# Altium PCB mantarray_beta2_sensor.PcbDoc (part 5 of 5)
Units mm, origin at the board's own origin, x right, y up, seen from the top; angles counter-clockwise.
Board outline 194.65 x 250 mm, 6 copper layers (Top Layer, GND1, Signal1, Int3 (Sign), AVDD, Bottom Layer), stack 1.551 mm thick; 528 components, 0 nets, 3971 pads, 590 vias.
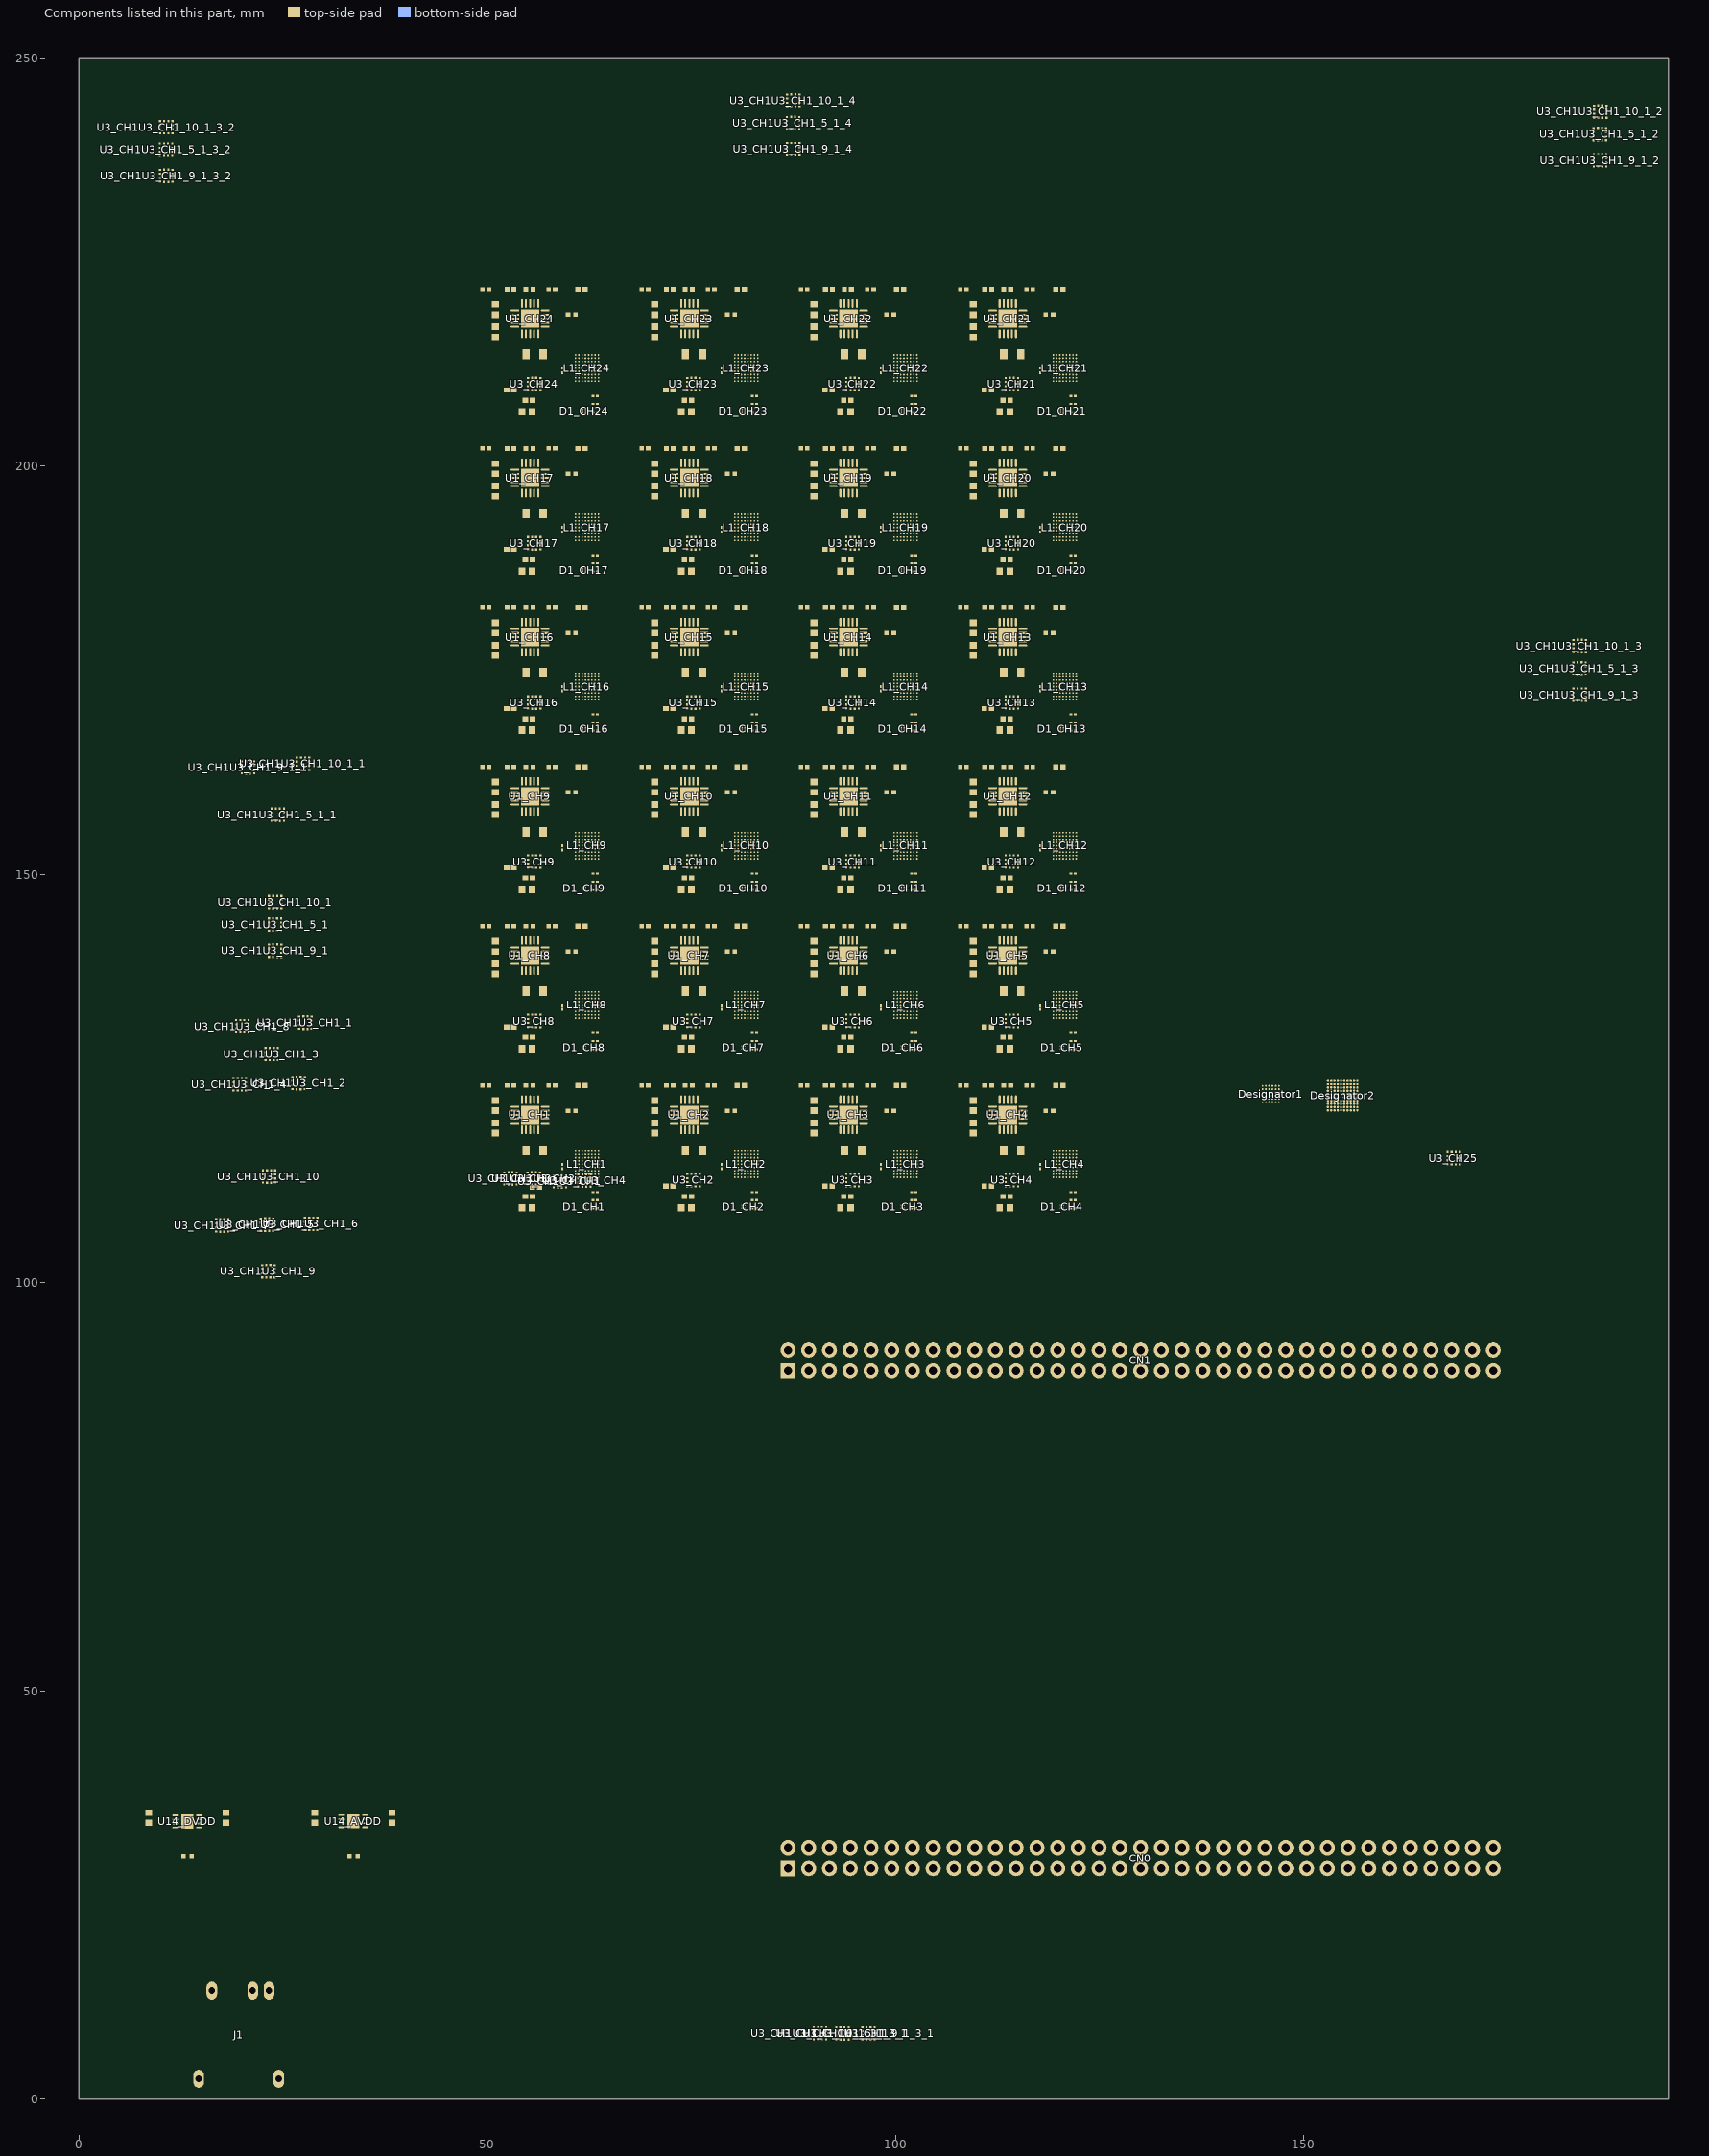
[diagram p8: the components of this part, seen from the top]

## Via types
v1: diameter 0.508, hole 0.203, Top Layer to Bottom Layer, 292 vias
v2: diameter 0.457, hole 0.152, Top Layer to Bottom Layer, 196 vias
v3: diameter 0.5, hole 0.2, Top Layer to Bottom Layer, 100 vias
v4: diameter 1.8, hole 1.2, Top Layer to Bottom Layer, 2 vias

## Nets (pads, with @x,y where several pads share a name; then routed paths per layer and width w, separated by ;. In a path a pad name is that pad's centre, name@x,y a point inside that pad or via, vN(x,y) a via of type N, cw(c..) or ccw(c..) an arc to the next point about the centre after c; other vN are vias at no path point) (continued)
copper on no net: (continued)
  Signal1 w0.127: v1(10.499,34.725) v1@10.499,34.775 ; v1(30.825,34.75) v1@30.825,34.8 ; v2(51.312,124.15) 51.312,124.175 52.392,125.254 61.127,125.254 61.604,124.777 61.604,124.15 ; v2(51.312,143.65) 51.312,143.675 52.392,144.754 61.127,144.754 61.604,144.277 61.604,143.65 ; v2(51.312,163.15) 51.312,163.175 52.392,164.254 61.127,164.254 61.604,163.777 61.604,163.15 ; v2(51.312,182.65) 51.312,182.675 52.392,183.754 61.127,183.754 61.604,183.277 61.604,182.65 ; v2(51.312,202.15) 51.312,202.175 52.392,203.254 61.127,203.254 61.604,202.777 61.604,202.15 ; v2(51.312,221.65) 51.312,221.675 52.392,222.754 61.127,222.754 61.604,222.277 61.604,221.65 ; v2(56.567,124.15) 57.418,125 61.022,125 61.35,124.672 61.35,124.15 ; v2(56.567,143.65) 57.418,144.5 61.022,144.5 61.35,144.172 61.35,143.65 ; v2(56.567,163.15) 57.418,164 61.022,164 61.35,163.672 61.35,163.15 ; v2(56.567,182.65) 57.418,183.5 61.022,183.5 61.35,183.172 61.35,182.65 ; v2(56.567,202.15) 57.418,203 61.022,203 61.35,202.672 61.35,202.15 ; v2(56.567,221.65) 57.418,222.5 61.022,222.5 61.35,222.172 61.35,221.65 ; v2(60.1,124.15) 61.35,124.15 ; v2(60.1,143.65) 61.35,143.65 ; v2(60.1,163.15) 61.35,163.15 ; v2(60.1,182.65) 61.35,182.65 ; v2(60.1,202.15) 61.35,202.15 ; v2(60.1,221.65) 61.35,221.65 ; 60.226,118.385 60.226,121.826 61.35,122.95 61.35,124.15 ; 60.226,137.885 60.226,141.326 61.35,142.45 61.35,143.65 ; 60.226,157.385 60.226,160.826 61.35,161.95 61.35,163.15 ; 60.226,176.885 60.226,180.326 61.35,181.45 61.35,182.65 ; 60.226,196.385 60.226,199.826 61.35,200.95 61.35,202.15 ; 60.226,215.885 60.226,219.326 61.35,220.45 61.35,221.65 ; 60.48,118.28 60.48,121.72 61.604,122.845 61.604,124.15 ; 60.48,137.78 60.48,141.22 61.604,142.345 61.604,143.65 ; 60.48,157.28 60.48,160.72 61.604,161.845 61.604,163.15 ; 60.48,176.78 60.48,180.22 61.604,181.345 61.604,182.65 ; 60.48,196.28 60.48,199.72 61.604,200.845 61.604,202.15 ; 60.48,215.78 60.48,219.22 61.604,220.345 61.604,221.65 ; v2(62.95,124.15) 61.604,124.15 ; v2(62.95,143.65) 61.604,143.65 ; v2(62.95,163.15) 61.604,163.15 ; v2(62.95,182.65) 61.604,182.65 ; v2(62.95,202.15) 61.604,202.15 ; v2(62.95,221.65) 61.604,221.65 ; v2(70.812,124.15) 70.812,124.175 71.892,125.254 80.627,125.254 81.104,124.777 81.104,124.15 ; v2(70.812,143.65) 70.812,143.675 71.892,144.754 80.627,144.754 81.104,144.277 81.104,143.65 ; v2(70.812,163.15) 70.812,163.175 71.892,164.254 80.627,164.254 81.104,163.777 81.104,163.15 ; v2(70.812,182.65) 70.812,182.675 71.892,183.754 80.627,183.754 81.104,183.277 81.104,182.65 ; v2(70.812,202.15) 70.812,202.175 71.892,203.254 80.627,203.254 81.104,202.777 81.104,202.15 ; v2(70.812,221.65) 70.812,221.675 71.892,222.754 80.627,222.754 81.104,222.277 81.104,221.65 ; v2(76.068,124.15) 76.918,125 80.522,125 80.85,124.672 80.85,124.15 ; v2(76.068,143.65) 76.918,144.5 80.522,144.5 80.85,144.172 80.85,143.65 ; v2(76.068,163.15) 76.918,164 80.522,164 80.85,163.672 80.85,163.15 ; v2(76.068,182.65) 76.918,183.5 80.522,183.5 80.85,183.172 80.85,182.65 ; v2(76.068,202.15) 76.918,203 80.522,203 80.85,202.672 80.85,202.15 ; v2(76.068,221.65) 76.918,222.5 80.522,222.5 80.85,222.172 80.85,221.65 ; v2(79.6,124.15) 80.85,124.15 ; v2(79.6,143.65) 80.85,143.65 ; v2(79.6,163.15) 80.85,163.15 ; v2(79.6,182.65) 80.85,182.65 ; v2(79.6,202.15) 80.85,202.15 ; v2(79.6,221.65) 80.85,221.65 ; 79.726,118.385 79.726,121.826 80.85,122.95 80.85,124.15 ; 79.726,137.885 79.726,141.326 80.85,142.45 80.85,143.65 ; 79.726,157.385 79.726,160.826 80.85,161.95 80.85,163.15 ; 79.726,176.885 79.726,180.326 80.85,181.45 80.85,182.65 ; 79.726,196.385 79.726,199.826 80.85,200.95 80.85,202.15 ; 79.726,215.885 79.726,219.326 80.85,220.45 80.85,221.65 ; 79.98,118.28 79.98,121.72 81.104,122.845 81.104,124.15 ; 79.98,137.78 79.98,141.22 81.104,142.345 81.104,143.65 ; 79.98,157.28 79.98,160.72 81.104,161.845 81.104,163.15 ; 79.98,176.78 79.98,180.22 81.104,181.345 81.104,182.65 ; 79.98,196.28 79.98,199.72 81.104,200.845 81.104,202.15 ; 79.98,215.78 79.98,219.22 81.104,220.345 81.104,221.65 ; v2(82.45,124.15) 81.104,124.15 ; v2(82.45,143.65) 81.104,143.65 ; v2(82.45,163.15) 81.104,163.15 ; v2(82.45,182.65) 81.104,182.65 ; v2(82.45,202.15) 81.104,202.15 ; v2(82.45,221.65) 81.104,221.65 ; v2(90.313,124.15) 90.313,124.175 91.392,125.254 100.127,125.254 100.604,124.777 100.604,124.15 ; v2(90.313,143.65) 90.313,143.675 91.392,144.754 100.127,144.754 100.604,144.277 100.604,143.65 ; v2(90.313,163.15) 90.313,163.175 91.392,164.254 100.127,164.254 100.604,163.777 100.604,163.15 ; v2(90.313,182.65) 90.313,182.675 91.392,183.754 100.127,183.754 100.604,183.277 100.604,182.65 ; v2(90.313,202.15) 90.313,202.175 91.392,203.254 100.127,203.254 100.604,202.777 100.604,202.15 ; v2(90.313,221.65) 90.313,221.675 91.392,222.754 100.127,222.754 100.604,222.277 100.604,221.65 ; v2(95.568,124.15) 96.418,125 100.022,125 100.35,124.672 100.35,124.15 ; v2(95.568,143.65) 96.418,144.5 100.022,144.5 100.35,144.172 100.35,143.65 ; v2(95.568,163.15) 96.418,164 100.022,164 100.35,163.672 100.35,163.15 ; v2(95.568,182.65) 96.418,183.5 100.022,183.5 100.35,183.172 100.35,182.65 ; v2(95.568,202.15) 96.418,203 100.022,203 100.35,202.672 100.35,202.15 ; v2(95.568,221.65) 96.418,222.5 100.022,222.5 100.35,222.172 100.35,221.65 ; v2(99.1,124.15) 100.35,124.15 ; v2(99.1,143.65) 100.35,143.65 ; v2(99.1,163.15) 100.35,163.15 ; v2(99.1,182.65) 100.35,182.65 ; v2(99.1,202.15) 100.35,202.15 ; v2(99.1,221.65) 100.35,221.65 ; 99.226,118.385 99.226,121.826 100.35,122.95 100.35,124.15 ; 99.226,137.885 99.226,141.326 100.35,142.45 100.35,143.65 ; 99.226,157.385 99.226,160.826 100.35,161.95 100.35,163.15 ; 99.226,176.885 99.226,180.326 100.35,181.45 100.35,182.65 ; 99.226,196.385 99.226,199.826 100.35,200.95 100.35,202.15 ; 99.226,215.885 99.226,219.326 100.35,220.45 100.35,221.65 ; 99.48,118.28 99.48,121.72 100.604,122.845 100.604,124.15 ; 99.48,137.78 99.48,141.22 100.604,142.345 100.604,143.65 ; 99.48,157.28 99.48,160.72 100.604,161.845 100.604,163.15 ; 99.48,176.78 99.48,180.22 100.604,181.345 100.604,182.65 ; 99.48,196.28 99.48,199.72 100.604,200.845 100.604,202.15 ; 99.48,215.78 99.48,219.22 100.604,220.345 100.604,221.65 ; v2(101.95,124.15) 100.604,124.15 ; v2(101.95,143.65) 100.604,143.65 ; v2(101.95,163.15) 100.604,163.15 ; v2(101.95,182.65) 100.604,182.65 ; v2(101.95,202.15) 100.604,202.15 ; v2(101.95,221.65) 100.604,221.65 ; v2(109.813,124.15) 109.813,124.175 110.892,125.254 119.627,125.254 120.104,124.777 120.104,124.15 ; v2(109.813,143.65) 109.813,143.675 110.892,144.754 119.627,144.754 120.104,144.277 120.104,143.65 ; v2(109.813,163.15) 109.813,163.175 110.892,164.254 119.627,164.254 120.104,163.777 120.104,163.15 ; v2(109.813,182.65) 109.813,182.675 110.892,183.754 119.627,183.754 120.104,183.277 120.104,182.65 ; v2(109.813,202.15) 109.813,202.175 110.892,203.254 119.627,203.254 120.104,202.777 120.104,202.15 ; v2(109.813,221.65) 109.813,221.675 110.892,222.754 119.627,222.754 120.104,222.277 120.104,221.65 ; v2(115.068,124.15) 115.918,125 119.522,125 119.85,124.672 119.85,124.15 ; v2(115.068,143.65) 115.918,144.5 119.522,144.5 119.85,144.172 119.85,143.65 ; v2(115.068,163.15) 115.918,164 119.522,164 119.85,163.672 119.85,163.15 ; v2(115.068,182.65) 115.918,183.5 119.522,183.5 119.85,183.172 119.85,182.65 ; v2(115.068,202.15) 115.918,203 119.522,203 119.85,202.672 119.85,202.15 ; v2(115.068,221.65) 115.918,222.5 119.522,222.5 119.85,222.172 119.85,221.65 ; v2(118.6,124.15) 119.85,124.15 ; v2(118.6,143.65) 119.85,143.65 ; v2(118.6,163.15) 119.85,163.15 ; v2(118.6,182.65) 119.85,182.65 ; v2(118.6,202.15) 119.85,202.15 ; v2(118.6,221.65) 119.85,221.65 ; 118.726,118.385 118.726,121.826 119.85,122.95 119.85,124.15 ; 118.726,137.885 118.726,141.326 119.85,142.45 119.85,143.65 ; 118.726,157.385 118.726,160.826 119.85,161.95 119.85,163.15 ; 118.726,176.885 118.726,180.326 119.85,181.45 119.85,182.65 ; 118.726,196.385 118.726,199.826 119.85,200.95 119.85,202.15 ; 118.726,215.885 118.726,219.326 119.85,220.45 119.85,221.65 ; 118.98,118.28 118.98,121.72 120.104,122.845 120.104,124.15 ; 118.98,137.78 118.98,141.22 120.104,142.345 120.104,143.65 ; 118.98,157.28 118.98,160.72 120.104,161.845 120.104,163.15 ; 118.98,176.78 118.98,180.22 120.104,181.345 120.104,182.65 ; 118.98,196.28 118.98,199.72 120.104,200.845 120.104,202.15 ; 118.98,215.78 118.98,219.22 120.104,220.345 120.104,221.65 ; v2(121.45,124.15) 120.104,124.15 ; v2(121.45,143.65) 120.104,143.65 ; v2(121.45,163.15) 120.104,163.15 ; v2(121.45,182.65) 120.104,182.65 ; v2(121.45,202.15) 120.104,202.15 ; v2(121.45,221.65) 120.104,221.65
  Signal1 w0.203: v2(14.649,29.775) 14.899,29.775 16.034,30.91 v2(16.034,34.75) ; v2(34.975,29.8) 35.225,29.8 36.36,30.935 v2(36.36,34.775) ; v2(54.256,117.405) 54.25,117.399 54.25,116.6 55.85,115 v2(56.9,115) ; v2(54.256,136.905) 54.25,136.899 54.25,136.1 55.85,134.5 v2(56.9,134.5) ; v2(54.256,156.405) 54.25,156.399 54.25,155.6 55.85,154 v2(56.9,154) ; v2(54.256,175.905) 54.25,175.899 54.25,175.1 55.85,173.5 v2(56.9,173.5) ; v2(54.256,195.405) 54.25,195.399 54.25,194.6 55.85,193 v2(56.9,193) ; v2(54.256,214.905) 54.25,214.899 54.25,214.1 55.85,212.5 v2(56.9,212.5) ; v2(57.6,117.3) 58.55,118.25 v2(58.55,121.05) ; v2(57.6,136.8) 58.55,137.75 v2(58.55,140.55) ; v2(57.6,156.3) 58.55,157.25 v2(58.55,160.05) ; v2(57.6,175.8) 58.55,176.75 v2(58.55,179.55) ; v2(57.6,195.3) 58.55,196.25 v2(58.55,199.05) ; v2(57.6,214.8) 58.55,215.75 v2(58.55,218.55) ; v2(73.756,117.405) 73.75,117.399 73.75,116.6 75.35,115 v2(76.4,115) ; v2(73.756,136.905) 73.75,136.899 73.75,136.1 75.35,134.5 v2(76.4,134.5) ; v2(73.756,156.405) 73.75,156.399 73.75,155.6 75.35,154 v2(76.4,154) ; v2(73.756,175.905) 73.75,175.899 73.75,175.1 75.35,173.5 v2(76.4,173.5) ; v2(73.756,195.405) 73.75,195.399 73.75,194.6 75.35,193 v2(76.4,193) ; v2(73.756,214.905) 73.75,214.899 73.75,214.1 75.35,212.5 v2(76.4,212.5) ; v2(77.1,117.3) 78.05,118.25 v2(78.05,121.05) ; v2(77.1,136.8) 78.05,137.75 v2(78.05,140.55) ; v2(77.1,156.3) 78.05,157.25 v2(78.05,160.05) ; v2(77.1,175.8) 78.05,176.75 v2(78.05,179.55) ; v2(77.1,195.3) 78.05,196.25 v2(78.05,199.05) ; v2(77.1,214.8) 78.05,215.75 v2(78.05,218.55) ; v2(93.256,117.405) 93.25,117.399 93.25,116.6 94.85,115 v2(95.9,115) ; v2(93.256,136.905) 93.25,136.899 93.25,136.1 94.85,134.5 v2(95.9,134.5) ; v2(93.256,156.405) 93.25,156.399 93.25,155.6 94.85,154 v2(95.9,154) ; v2(93.256,175.905) 93.25,175.899 93.25,175.1 94.85,173.5 v2(95.9,173.5) ; v2(93.256,195.405) 93.25,195.399 93.25,194.6 94.85,193 v2(95.9,193) ; v2(93.256,214.905) 93.25,214.899 93.25,214.1 94.85,212.5 v2(95.9,212.5) ; v2(96.6,117.3) 97.55,118.25 v2(97.55,121.05) ; v2(96.6,136.8) 97.55,137.75 v2(97.55,140.55) ; v2(96.6,156.3) 97.55,157.25 v2(97.55,160.05) ; v2(96.6,175.8) 97.55,176.75 v2(97.55,179.55) ; v2(96.6,195.3) 97.55,196.25 v2(97.55,199.05) ; v2(96.6,214.8) 97.55,215.75 v2(97.55,218.55) ; v2(112.756,117.405) 112.75,117.399 112.75,116.6 114.35,115 v2(115.4,115) ; v2(112.756,136.905) 112.75,136.899 112.75,136.1 114.35,134.5 v2(115.4,134.5) ; v2(112.756,156.405) 112.75,156.399 112.75,155.6 114.35,154 v2(115.4,154) ; v2(112.756,175.905) 112.75,175.899 112.75,175.1 114.35,173.5 v2(115.4,173.5) ; v2(112.756,195.405) 112.75,195.399 112.75,194.6 114.35,193 v2(115.4,193) ; v2(112.756,214.905) 112.75,214.899 112.75,214.1 114.35,212.5 v2(115.4,212.5) ; v2(116.1,117.3) 117.05,118.25 v2(117.05,121.05) ; v2(116.1,136.8) 117.05,137.75 v2(117.05,140.55) ; v2(116.1,156.3) 117.05,157.25 v2(117.05,160.05) ; v2(116.1,175.8) 117.05,176.75 v2(117.05,179.55) ; v2(116.1,195.3) 117.05,196.25 v2(117.05,199.05) ; v2(116.1,214.8) 117.05,215.75 v2(117.05,218.55)
  other v1: 17.799,29.275 20.299,29.275 38.125,29.3 40.625,29.3 17.799,32.325 20.299,32.325 38.125,32.35 40.625,32.35 7.099,36.725 11.099,36.725 15.099,36.725 19.099,36.725 27.425,36.75 31.425,36.75 35.425,36.75 39.425,36.75 7.099,40.275 11.099,40.275 15.099,40.275 19.099,40.275 27.425,40.3 31.425,40.3 35.425,40.3 39.425,40.3
  other v3: 13.299,33.45 33.625,33.475 13.299,34.55 33.625,34.575 54.7,120 55.8,120 74.2,120 75.3,120 93.7,120 94.8,120 113.2,120 114.3,120 54.7,121.1 55.8,121.1 74.2,121.1 75.3,121.1 93.7,121.1 94.8,121.1 113.2,121.1 114.3,121.1 54.7,139.5 55.8,139.5 74.2,139.5 75.3,139.5 93.7,139.5 94.8,139.5 113.2,139.5 114.3,139.5 54.7,140.6 55.8,140.6 74.2,140.6 75.3,140.6 93.7,140.6 94.8,140.6 113.2,140.6 114.3,140.6 54.7,159 55.8,159 74.2,159 75.3,159 93.7,159 94.8,159 113.2,159 114.3,159 54.7,160.1 55.8,160.1 74.2,160.1 75.3,160.1 93.7,160.1 94.8,160.1 113.2,160.1 114.3,160.1 54.7,178.5 55.8,178.5 74.2,178.5 75.3,178.5 93.7,178.5 94.8,178.5 113.2,178.5 114.3,178.5 54.7,179.6 55.8,179.6 74.2,179.6 75.3,179.6 93.7,179.6 94.8,179.6 113.2,179.6 114.3,179.6 54.7,198 55.8,198 74.2,198 75.3,198 93.7,198 94.8,198 113.2,198 114.3,198 54.7,199.1 55.8,199.1 74.2,199.1 75.3,199.1 93.7,199.1 94.8,199.1 113.2,199.1 114.3,199.1 54.7,217.5 55.8,217.5 74.2,217.5 75.3,217.5 93.7,217.5 94.8,217.5 113.2,217.5 114.3,217.5 54.7,218.6 55.8,218.6 74.2,218.6 75.3,218.6 93.7,218.6 94.8,218.6 113.2,218.6 114.3,218.6
  other v4: 18.475,2.3 18.475,8.7

## Polygon pours and split planes (outlines as drawn)
no net on Top Layer "GND_L01_P000" (solid, pour order 0): 34.35,32.4 34.35,35.8 36.075,35.8 37.275,34.6 40.825,34.6 41.575,35.35 41.575,41.6 40.825,42.35 26.575,42.35 25.675,41.45 25.675,35.3 26.375,34.6 29.525,34.6 30.725,35.8 32.9,35.8 32.9,32.4
no net on Top Layer "AVDD_L01_P001" (solid, pour order 1): 34.679,34.079 35,34.4 40.875,34.4 41.575,33.7 41.575,26.5 41.075,26 35.175,26 34.679,26.496
no net on Top Layer "+5V_L01_P002" (solid, pour order 2): 32.471,34.054 32.15,34.375 26.275,34.375 25.575,33.675 25.575,25.4 32.471,25.4
no net on Top Layer "GND_L01_P004" (solid, pour order 4): 14.024,32.375 14.024,35.775 15.749,35.775 16.949,34.575 20.499,34.575 21.249,35.325 21.249,41.575 20.499,42.325 6.249,42.325 5.349,41.425 5.349,35.275 6.049,34.575 9.199,34.575 10.399,35.775 12.574,35.775 12.574,32.375
no net on Top Layer "AVDD_DVDD_L01_P005" (solid, pour order 5): 14.353,34.054 14.674,34.375 20.549,34.375 21.249,33.675 21.249,26.475 20.749,25.975 14.849,25.975 14.353,26.471
no net on Top Layer "+5V_L01_P007" (solid, pour order 7): 12.145,34.029 11.824,34.35 5.949,34.35 5.249,33.65 5.249,25.375 12.145,25.375
no net on GND1 (split plane): 194.14,249.49 194.14,0.51 0.51,0.51 0.51,249.49
no net on AVDD (split plane): 194.14,249.49 194.14,0.51 0.51,0.51 0.51,249.49

## Other copper
Signal1:
GND1 (plane layer: these items are gaps in the copper):
  lines w0.254: 12.45,236.05 12.45,239.75 ; 25.8,141.15 25.8,144.85 ; 89.238,239.313 89.238,243.013 ; 92.5,9.823 96.2,9.823 ; 185.55,172.5 185.55,176.2 ; 188.05,237.95 188.05,241.65

## Silkscreen, mask and mechanical layers (free items; w line width, h text height)
Assembly Notes:
  circle w0.254: c10.504,239.122 r7.75
  circle w0.254: c93.128,7.877 r7.75
  circle w0.254: c87.291,242.384 r7.75
  circle w0.254: c183.604,175.572 r7.75
  circle w0.254: c186.104,241.022 r7.75
  circle w0.254: c24.441,159.759 r7.75
  circle w0.254: c23.854,144.222 r7.75
  circle w0.254: c23.65,128 r7.75
  circle w0.254: c55.75,156.55 r7.75
  circle w0.254: c55.75,195.55 r7.75
  circle w0.254: c94.75,156.55 r7.75
  circle w0.254: c94.75,195.55 r7.75
  circle w0.254: c23.15,106.95 r7.75
  circle w0.254: c55.75,137.05 r7.75
  circle w0.254: c55.75,176.05 r7.75
  circle w0.254: c94.75,117.55 r7.75
  circle w0.254: c94.75,137.05 r7.75
  circle w0.254: c94.75,176.05 r7.75
  circle w0.254: c114.25,156.55 r7.75
  circle w0.254: c75.25,156.55 r7.75
  circle w0.254: c114.25,195.55 r7.75
  circle w0.254: c75.25,195.55 r7.75
  circle w0.254: c114.25,117.55 r7.75
  circle w0.254: c75.25,117.55 r7.75
  circle w0.254: c114.25,137.05 r7.75
  circle w0.254: c75.25,137.05 r7.75
  circle w0.254: c114.25,176.05 r7.75
  circle w0.254: c75.25,176.05 r7.75
  circle w0.254: c55.75,215.05 r7.75
  circle w0.254: c94.75,215.05 r7.75
  circle w0.254: c75.25,215.05 r7.75
  circle w0.254: c114.25,215.05 r7.75

## Dimensions
0,250 to 194.65,250 on Mechanical 15
194.65,0 to 194.65,250 on Mechanical 15

## Text inside footprints (layer, text, board x,y; h text height)
CN0: Top Overlay "2" at 84.765,30.26 h1.5; Top Overlay "1" at 85.04,27.735 h1.5; Mechanical 14 "69" at 172.495,27.785 h1.5; Mechanical 14 "70" at 172.52,30.335 h1.5; Mechanical 14 "2" at 86.515,30.36 h1.5; Mechanical 14 "1" at 86.615,27.76 h1.5
CN1: Top Overlay "2" at 84.765,91.22 h1.5; Top Overlay "1" at 85.04,88.695 h1.5; Mechanical 14 "69" at 172.495,88.745 h1.5; Mechanical 14 "70" at 172.52,91.295 h1.5; Mechanical 14 "2" at 86.515,91.32 h1.5; Mechanical 14 "1" at 86.615,88.72 h1.5
Designator1: Mechanical 13 "6" at 147.585,125.183 h1.27 r90; Mechanical 13 "1" at 145.585,125.183 h1.27 r90; Mechanical 13 "F" at 143.359,121.465 h1.27; Mechanical 13 "A" at 143.359,123.465 h1.27; Bottom Overlay "6" at 146.315,125.183 h1.27 r270; Bottom Overlay "1" at 144.315,125.183 h1.27 r270; Bottom Overlay "F" at 141.4,121.75 h1.27; Bottom Overlay "A" at 143.994,123.465 h1.27; Top Overlay "6" at 147.585,125.183 h1.27 r90; Top Overlay "1" at 145.585,125.183 h1.27 r90; Top Overlay "F" at 143.359,121.465 h1.27; Top Overlay "A" at 143.359,123.465 h1.27; Mechanical 7 "0.114in/2.896mm" at 151.589,122.782 h0.64; Mechanical 7 "0.104in/2.642mm" at 143.569,126.961 h0.64; Mechanical 7 "0.016in/0.4mm" at 149.684,123.582 h0.64; Mechanical 7 "Default Padstyle: EX8.82Y8.82D0TA" at 135.472,116.572 h1.27
Designator2: Mechanical 13 "10" at 157.185,125.624 h1.27 r90; Mechanical 13 "1" at 153.585,125.624 h1.27 r90; Mechanical 13 "K" at 151.154,120.465 h1.27; Mechanical 13 "A" at 151.154,124.065 h1.27; Bottom Overlay "10" at 155.915,125.624 h1.27 r270; Bottom Overlay "1" at 152.315,125.624 h1.27 r270; Bottom Overlay "K" at 151.789,120.465 h1.27; Bottom Overlay "A" at 151.789,124.065 h1.27; Top Overlay "10" at 157.185,125.624 h1.27 r90; Top Overlay "1" at 153.585,125.624 h1.27 r90; Top Overlay "K" at 151.154,120.465 h1.27; Top Overlay "A" at 151.154,124.065 h1.27; Mechanical 7 "0.164in/4.177mm" at 161.395,122.583 h0.64; Mechanical 7 "0.183in/4.653mm" at 152.369,127.402 h0.64; Mechanical 7 "0.016in/0.4mm" at 159.49,124.182 h0.64; Mechanical 7 "Default Padstyle: EX11.02Y11.02D0TA" at 143.638,115.732 h1.27